# Allegro board RK_EVB1_RK3576_LP4XD200P132SD6_V12_20240530YWQ.brd (continued)
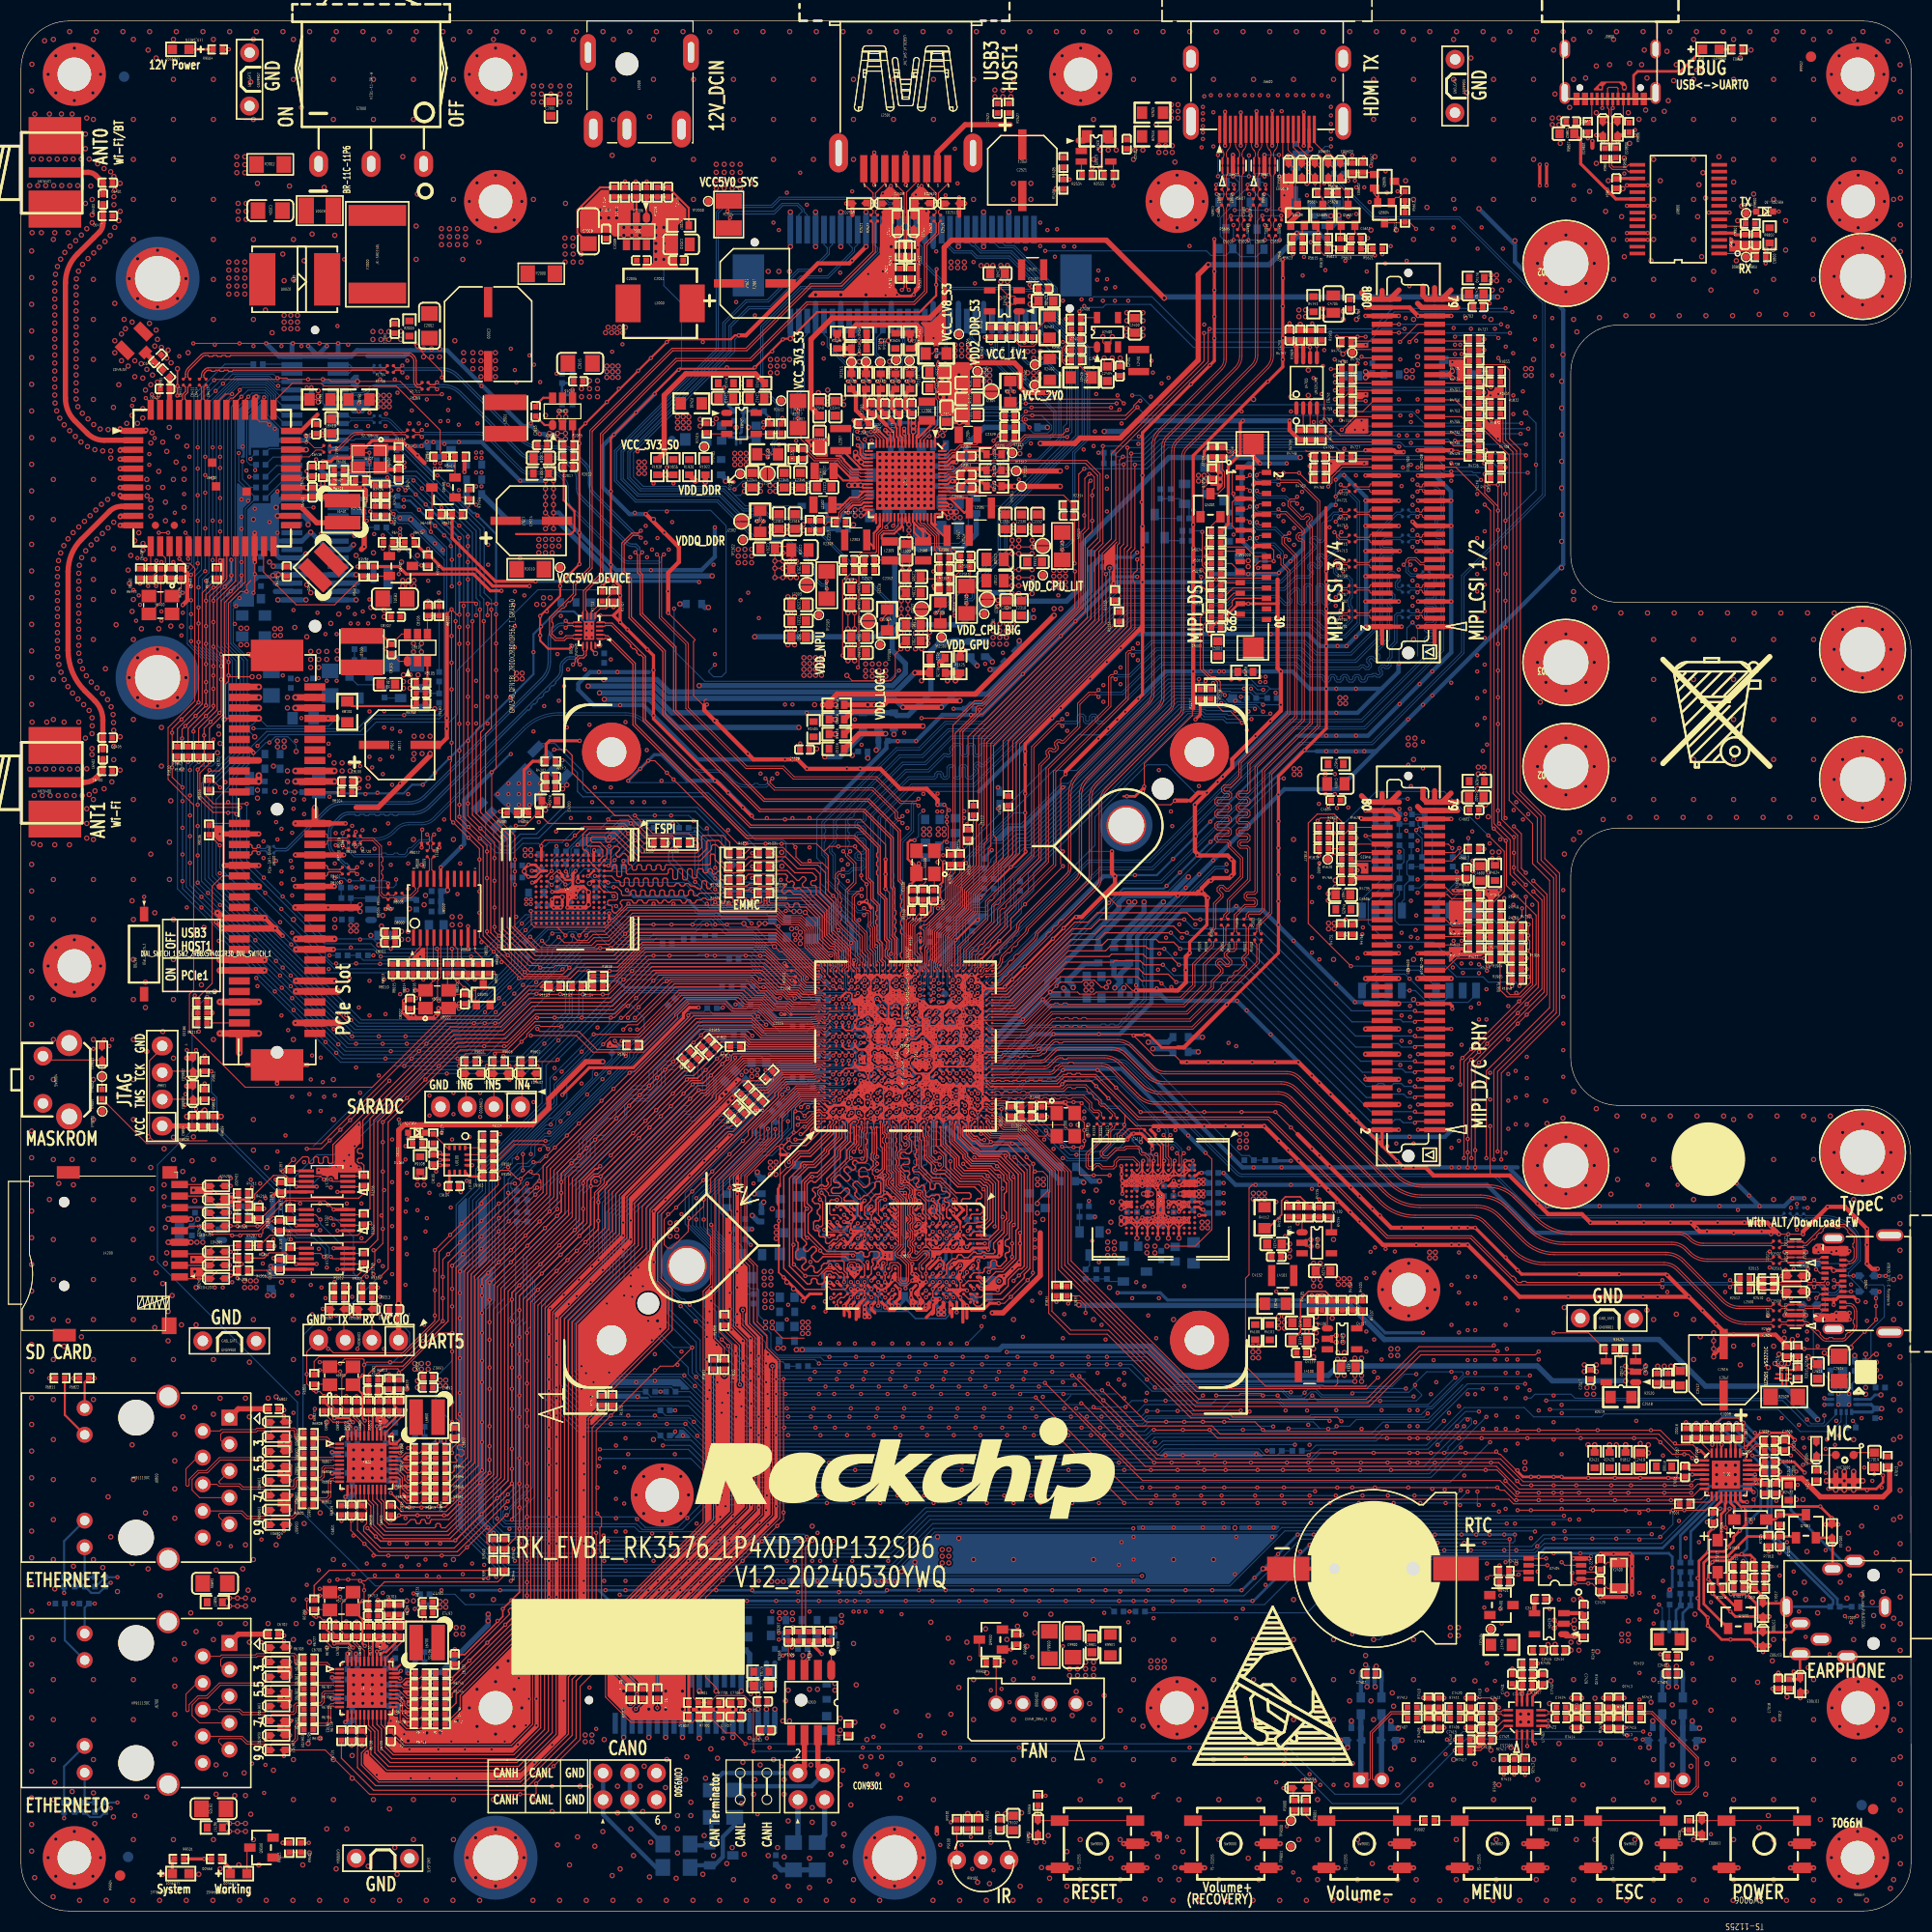
[diagram p0: board, top side]
## Routing (per net, layer and track width the routed paths; a pad name or vN(x,y) marks a point on that pad's centre or on a via; arc(x,y) is an arc through that point) (continued)
  TOP w0.229: 78.48,77.21 v1(78.51,77.23) U1000.1D5 ; 78.48,77.21 78.48,76.73 ; 78.48,77.21 U1000.1C4 ; U1000.2B3 80.67,79.77 80.67,79.79 ; U1000.2B3 v1(81.32,80.42) U1000.2B4 ; U1000.2B3 80.99,80.09 80.67,80.42 ; U1000.2U7 90.42,82.37 ; U1000.2U7 91.12,83.07 ; U1000.2U7 91.07,82.37 ; 90.42,82.37 91.07,82.37 ; 90.42,82.37 U1000.2T6 89.44,82.69 ; 90.42,82.37 U1000.2U6 ; 82.94,83.99 U1000.2E9 83.27,84.32 U1000.2E10 ; 82.94,83.99 82.94,84.64 ; 82.94,83.99 v1(82.62,84.32) ; 79.8,86.32 79.8,85.13 v1(79.77,85.1) ; 79.8,86.32 79.45,86.32 79.34,86.43 79.34,86.47 79.44,86.57 ; 79.8,86.32 U1000.1F20 ; U1000.1AB6 89.77,78.29 89.77,78.47 ; U1000.1AB6 89.94,77.87 v1(89.94,77.8) ; U1000.1AB6 89.34,77.87 U1000.1AB5 89.85,77.35 v1(89.95,77.35) ; U1000.1AB6 89.44,78.37 ; v1(86.39,76.71) 86.39,76.62 U1000.1U3 86.9,76.62 v1(86.9,76.71) 86.9,76.71 U1000.1U4 ; v1(86.39,76.71) U1000.1T3 ; v1(86.39,76.71) U1000.1U4 ; 91.59,86.14 91.46,86.27 91.14,86.27 ; 91.59,86.14 91.59,86.42 ; 91.59,86.14 U1000.2V12 ; 91.59,86.14 91.59,85.75 ; 91.59,88.22 U1000.AK25 U1000.AL25 93.55,87.87 v1(93.7,88.02) v1(94.4,88.72) v1(95.61,89.92) v1(98.28,92.59) ; 91.59,88.22 U1000.1AE23 v1(91.14,88.67) ; 91.59,88.22 91.59,87.56 ; v1(83.39,75.42) 83.39,75.42 U1000.1M1 83.94,75.47 ; v1(83.39,75.42) 83.39,75.51 U1000.1M2 ; v1(83.39,75.42) U1000.1L2 82.74,75.47 ; U1000.2D10 81.97,84.97 ; U1000.2D10 82.62,84.97 ; U1000.2D10 82.62,84.32 ; 91.59,83.54 91.59,83 ; 91.59,83.54 U1000.2V8 91.15,83.1 v1(91.12,83.1) ; 91.59,83.54 91.59,83.8 ; 91.59,83 91.59,82.5 ; 91.59,83 91.22,83 v1(91.12,83.1) ; v1(82.7,76.62) U1000.1L4 v1(83.34,76.67) ; v1(82.7,76.62) 82.79,76.62 U1000.1L3 v1(83.34,76.67) ; v1(82.7,76.62) U1000.1K3 ; v1(79.67,88.67) 79.74,88.67 U1000.1F24 ; v1(79.67,88.67) 79.66,88.66 79.66,88.58 U1000.1E23 ; v1(79.67,88.67) 79.67,88.74 U1000.1E24 79.64,89.16 79.85,89.16 U1000.1F24 ; U1000.1Y6 88.11,77.84 ; U1000.1Y6 88.79,78.52 U1000.2P1 ; U1000.1Y6 v1(88.74,77.87) U1000.1Y5 ; U1000.1Y6 88.44,78.62 88.43,78.63 ; U1000.1Y6 88.14,78.47 ; 88.11,77.84 v1(88.11,77.84) ; 88.11,77.84 88.17,77.84 U1000.1Y5 ; v1(81.5,76.71) 81.5,76.62 U1000.1H3 80.99,76.62 v1(80.99,76.71) ; v1(81.5,76.71) 81.59,76.71 U1000.1J4 ; v1(81.5,76.71) 81.5,76.71 U1000.1H4 ; U1000.1F3 79.84,76.57 79.74,76.57 v1(79.74,76.57) 79.74,76.57 79.64,76.57 ; U1000.1F3 80.34,76.07 U1000.1G3 ; U1000.1F3 80.34,76.67 U1000.1G3 ; U1000.2U3 90.42,80.42 U1000.2U4 ; U1000.2U3 U1000.2U4 ; U1000.2U3 90.99,79.84 v1(91.09,79.84) ; U1000.1AB24 89.48,89.13 89.2,89.13 89.15,89.08 89.15,89.07 U1000.1AA24 ; U1000.1AB24 89.85,89.18 90.03,89.18 U1000.1AC24 ; U1000.1AB24 89.94,88.67 ; U1000.1N21 84.54,86.87 ; U1000.1N21 84.54,87.47 ; U1000.1N21 83.94,86.87 ; U1000.1N21 v1(83.94,87.47) ; 84.54,86.87 U1000.1N20 ; 84.54,86.87 U1000.1P21 ; 84.54,86.87 U1000.1P20 85.14,86.87 ; 78.48,76.73 U1000.1D3 ; 78.48,76.73 U1000.1C4 ; 78.48,76.73 77.4,76.73 ; 91.07,82.37 91.07,82.37 ; 91.07,82.37 91.07,82.37 ; 87.17,83.67 v1(87.14,83.69) 87.19,83.69 87.49,83.99 ; 87.17,83.67 U1000.2L9 ; 87.17,83.67 U1000.2L8 ; 85.87,85.62 U1000.2K12 ; 85.87,85.62 U1000.2J11 U1000.2K10 ; 85.87,85.62 U1000.2J12 85.54,86.58 v1(85.61,86.64) ; U1000.2K12 86.4,86.15 86.46,86.15 ; U1000.2K12 85.87,86.27 ; v1(87.82,81.04) 87.79,81.04 U1000.2M4 ; U1000.1H4 v1(80.94,77.27) ; U1000.1H4 80.99,76.71 v1(80.99,76.71) ; v1(83.34,76.67) U1000.1M4 ; 83.94,86.87 U1000.1N20 ; 83.94,86.87 U1000.1M20 ; 83.94,86.87 U1000.1M21 ; U1000.1N20 83.94,86.27 U1000.1M20 ; 37,22.63 R6735.1 ; v1(82.14,86.87) U1000.1K21 ; v1(82.14,86.87) U1000.1K20 ; v1(82.14,86.87) U1000.1J21 81.84,87.19 81.76,87.27 ; U1000.2V2 91.39,79.54 v1(91.09,79.84) ; U1000.2V2 91.59,79.64 ; U1000.2V2 U1000.2U2 ; U1000.2V2 91.59,79.25 ; v1(83.27,81.07) 83.27,81.07 ; v1(83.27,81.07) U1000.2E5 83.59,82.04 U1000.2F6 ; v1(83.27,81.07) 83.27,81.07 ; 83.27,81.07 U1000.2F5 ; 83.27,81.07 U1000.2F4 v1(83.92,81.07) ; 87.8,78.65 87.84,78.6 U1000.1W6 ; 87.8,78.65 88,78.65 U1000.2N1 ; 87.8,78.65 87.64,78.65 U1000.2M1 ; U1000.2U10 91.39,83.99 ; U1000.2U10 90.42,84.32 U1000.2U9 90.74,83.99 U1000.2V10 ; U1000.2U10 v1(91.07,84.97) ; 91.39,83.99 91.59,83.8 ; 91.39,83.99 91.59,84.19 ; 91.39,83.99 U1000.2V9 ; U1000.1AC1 90.49,75.42 v1(90.5,75.42) ; U1000.1E5 79.78,77.9 ; U1000.1E5 v1(79.14,77.27) U1000.1D5 ; U1000.1E5 79.19,77.82 v1(79.19,77.91) ; 79.78,77.9 v1(79.78,77.92) ; 79.78,77.9 79.78,77.83 U1000.1F5 ; 85.07,89.8 85.07,89.79 U1000.V28 85.34,89.47 v1(85.11,89.24) ; v1(85.1,101.98) 84.68,101.98 84.46,101.75 84.46,100.19 v1(84.88,99.77) ; U1000.2V10 91.59,84.84 ; U1000.2V10 91.59,84.45 ; U1000.2V10 v1(91.07,84.97) ; 91.59,84.84 91.59,84.45 ; 91.59,84.84 91.59,85.1 ; 87.17,80.42 U1000.2M4 ; 87.17,80.42 U1000.2L3 86.48,79.73 ; 87.17,80.42 U1000.2L4 86.88,80.74 v1(87.17,81.03) ; U1000.2M4 87.82,80.42 ; U1000.2M4 87.2,81.03 ; 82.44,78.2 U1000.1K6 82.14,77.87 ; 82.44,78.2 82.42,78.2 82.14,78.47 82.09,78.47 ; 82.44,78.2 82.44,78.29 v1(82.64,78.49) 82.72,78.49 U1000.1L6 ; 81.97,84.97 U1000.2C10 ; 81.97,84.97 U1000.2C11 ; U1000.2U4 91.07,81.07 ; U1000.2U4 U1000.2V3 ; 83.34,86.87 U1000.1L20 ; 83.34,86.87 U1000.1L21 ; 83.34,86.87 U1000.1M21 ; 83.34,86.87 U1000.1M20 ; U1000.1L20 82.87,86.39 82.62,86.39 U1000.1K20 ; U1000.1L20 82.74,86.87 ; U1000.1M21 83.34,87.47 ; U1000.1M21 v1(83.94,87.47) ; 83.34,87.47 U1000.1L21 ; 83.34,87.47 v1(83.34,87.47) ; U1000.1V2 U1000.1W3 ; U1000.1V2 U1000.1W1 v1(88.1,75.43) U1000.1Y2 88.74,75.47 U1000.1AA2 ; U1000.1V2 v1(86.94,75.47) U1000.1U2 v1(86.34,75.47) ; v1(78.24,84.6) U1000.1C16 ; U1000.1H20 80.94,86.27 80.67,86.27 ; U1000.1H20 81.24,86.34 81.32,86.27 ; U1000.1H20 81.14,86.67 ; v1(88.11,77.84) 88.11,77.89 U1000.1W6 ; v1(88.11,77.84) 88.11,77.84 U1000.1W5 U1000.1V6 ; 89.21,86.18 89.03,86.18 U1000.2P12 88.49,86.24 88.44,86.24 ; 89.21,86.18 89.25,86.18 89.34,86.27 ; 89.21,86.18 U1000.2R12 ; U1000.2P9 U1000.2N9 ; U1000.2P9 88.79,84 89.11,84.32 ; U1000.2P9 88.47,83.67 v1(88.46,83.67) ; U1000.2P9 88.47,84.32 U1000.2N9 ; U1000.2P9 88.87,84.07 89.37,84.07 U1000.2R9 ; U1000.2N9 88.14,83.99 87.83,84.3 87.8,84.3 ; U1000.2N9 88.46,83.67 v1(88.46,83.67) ; 82.77,88.64 82.74,88.67 ; 82.74,88.67 U1000.1L24 ; 82.74,88.67 U1000.1K24 ; 91.59,86.71 91.59,86.42 ; 91.59,86.71 U1000.1AE20 ; 91.59,86.71 91.59,87.02 ; 91.59,86.42 U1000.1AE20 ; 86.64,78.17 86.64,78.59 U1000.2L1 ; 86.64,78.17 v1(86.34,78.46) ; 86.64,78.17 U1000.1U6 v1(86.94,77.87) U1000.1V6 ; U1000.2N12 88.44,86.24 ; U1000.2N12 87.93,86.15 ; U1000.2N12 87.82,85.62 ; U1000.2K9 85.87,83.67 86.02,83.51 ; U1000.2K9 86.52,83.67 ; U1000.2K9 86.52,84.32 ; U1000.2K9 85.87,84.32 U1000.2K10 ; U1000.1L22 83.33,87.47 v1(83.34,87.47) ; U1000.1L22 82.74,87.47 ; U1000.1L22 82.74,88.07 ; U1000.2B6 v1(81.32,82.37) 80.99,82.69 ; U1000.2B6 80.67,81.72 ; U1000.2B6 U1000.2B7 80.99,82.69 ; U1000.1V6 86.84,78.57 U1000.2L1 ; 91.07,82.37 91.59,82.37 ; 91.07,82.37 U1000.2U6 ; 91.07,82.37 U1000.2V6 ; 91.07,82.37 U1000.2V7 ; 91.59,82.37 91.59,82.5 ; 91.59,82.37 91.59,81.85 ; U1000.2K1 86.19,78.61 v1(86.34,78.46) ; U1000.2K1 U1000.2J1 85.54,78.67 85.77,78.44 ; U1000.2K1 U1000.2K2 ; U1000.2K1 85.84,78.44 85.77,78.44 ; U1000.2K1 86.25,78.79 86.55,79.09 ; v1(81.54,87.47) 81.34,87.27 ; v1(81.54,87.47) 81.57,87.47 81.76,87.27 ; v1(81.54,87.47) U1000.1J22 ; 81.34,87.27 U1000.1H21 ; 81.34,87.27 81.76,87.27 ; 87.93,86.15 88.03,86.15 U1000.1Y20 ; 87.93,86.15 87.28,86.15 ; 89.94,86.87 U1000.1AB20 ; 89.94,86.87 U1000.1AC20 ; 89.94,86.87 U1000.1AC21 ; 89.94,86.87 U1000.1AB21 89.94,87.47 ; U1000.1AB20 89.94,86.27 ; U1000.1AB20 89.34,86.27 ; U1000.2R11 v1(89.12,84.97) U1000.2R10 ; U1000.2R11 v1(89.77,84.97) ; U1000.2R11 v1(89.77,85.62) ; 80.34,78.47 U1000.1G6 ; 80.34,78.47 U1000.1F6 ; 80.34,78.47 U1000.2A1 ; U1000.1G6 80.89,77.92 ; U1000.1G6 80.39,77.92 ; U1000.1G6 80.64,78.17 ; U1000.1G6 80.99,78.52 U1000.2B1 ; v1(79.78,77.92) 79.8,77.92 U1000.1F6 ; v1(79.78,77.92) 79.98,78.13 79.98,78.71 ; v1(79.78,77.92) 79.69,77.92 U1000.1E6 ; 86.02,83.51 U1000.2K8 86.52,83.67 ; 86.02,83.51 85.71,83.51 85.61,83.41 ; 80.67,80.42 U1000.2B4 ; 80.67,80.42 U1000.2A3 ; 80.67,80.42 80.67,79.79 ; U1000.2R12 89.77,86.27 ; U1000.2R12 v1(89.77,85.62) ; 89.77,86.27 89.34,86.27 ; 89.77,86.27 89.94,86.27 ; U1000.1M4 83.94,77.27 U1000.1N4 ; U1000.1M4 83.94,76.67 83.99,76.72 ; U1000.2B4 80.67,81.07 U1000.2B5 80.94,81.44 80.67,81.72 ; U1000.1K20 82.74,86.87 ; 82.74,86.87 U1000.1K21 ; 82.74,86.87 U1000.1L21 ; 82.11,78.49 82.02,78.49 81.83,78.68 81.75,78.68 U1000.2C1 ; 89.21,78.56 U1000.2R1 ; 89.21,78.56 89.03,78.56 U1000.2P1 ; 89.21,78.56 89.25,78.56 89.44,78.37 ; v1(87.16,81.72) 87.17,81.72 U1000.2M6 ; v1(87.16,81.72) 87.17,81.72 87.17,82.37 ; v1(87.16,81.72) 86.52,81.72 ; v1(87.16,81.72) 87.16,81.72 U1000.2L6 ; v1(87.16,81.72) 87.16,81.71 86.84,81.39 ; U1000.2M6 U1000.2L6 ; U1000.2M6 87.82,82.37 U1000.2N6 88.47,82.37 U1000.2P6 ; U1000.2M6 87.17,82.37 ; 91.07,78.47 U1000.2V1 91.58,78.98 ; 91.07,78.47 91.23,78.3 91.31,78.3 U1000.1AE6 91.58,78.03 ; 91.07,78.47 90.98,78.56 ; 91.59,80.94 U1000.2V4 ; 91.59,80.94 91.59,80.55 ; 91.59,80.94 91.59,81.59 ; U1000.2V4 91.07,81.07 ; U1000.2V4 91.59,80.55 ; 86.52,84.32 U1000.2L9 ; 86.52,84.32 U1000.2K10 ; U1000.2L8 87.17,83.02 v1(87.14,82.99) 86.84,82.69 87.17,82.37 ; U1000.2L8 86.52,83.67 ; v1(84.59,76.65) 84.59,76.62 U1000.1P3 85.1,76.62 v1(85.1,76.69) 85.07,76.71 84.68,76.71 84.61,76.65 v1(84.59,76.65) ; v1(84.59,76.65) 84.59,76.71 U1000.1P4 ; v1(84.59,76.65) 84.56,76.65 84.49,76.72 ; U1000.1L21 82.74,87.47 ; v1(91.09,79.84) 91.14,79.84 U1000.2V3 ; v1(91.09,79.84) 90.74,79.49 U1000.2U2 ; v1(84.53,84.36) 84.5,84.39 ; 84.5,84.39 83.99,84.39 ; 84.5,84.39 U1000.2G10 ; U1000.2C1 81.49,78.64 81.15,78.64 ; U1000.2C1 81.64,78.57 81.52,78.45 ; 80.04,78.19 80.04,78.49 U1000.2A1 ; 80.04,78.19 79.75,78.48 ; 80.04,78.19 U1000.1F6 ; 81.14,87.07 80.94,86.87 ; 81.14,87.07 81.14,86.67 ; 81.14,87.07 U1000.1H21 ; 80.94,86.87 80.72,86.65 ; 80.94,86.87 81.14,86.67 ; 80.94,86.87 U1000.1G21 ; 91.59,84.45 91.59,84.19 ; 85.87,86.27 86.04,86.44 U1000.1T20 ; 85.87,86.27 85.87,86.27 ; U1000.2K10 v1(86.53,84.98) ; U1000.1H24 81.44,89.16 81.65,89.16 U1000.1J24 ; U1000.1H24 80.94,88.67 U1000.1G24 ; U1000.1H24 81.05,89.16 80.84,89.16 U1000.1G24 ; U1000.1K21 82.74,87.47 ; 80.34,83.99 v1(80.67,84.32) 80.99,83.99 ; 80.34,83.99 80.99,83.99 ; 80.34,83.99 80.63,83.71 ; U1000.1G3 80.91,76.64 v1(80.99,76.71) ; 86.63,86.15 86.46,86.15 ; 86.63,86.15 U1000.2L12 87.05,86.15 ; 86.63,86.15 86.63,86.15 87.05,86.15 ; 86.46,86.15 U1000.1T20 ; U1000.1K3 U1000.1J2 82.14,75.47 ; U1000.1K3 U1000.1J4 ; U1000.1AE20 91.14,86.27 ; 86.52,83.67 U1000.2L9 ; U1000.2A3 v1(80.64,79.79) 80.67,79.79 ; U1000.2A3 79.92,80.09 79.61,80.4 ; U1000.2A3 80.03,80.4 79.61,80.4 ; v1(79.74,75.47) U1000.1E2 79.1,75.43 79.09,75.43 79.09,75.42 U1000.1D1 U1000.1C2 ; 89.77,78.47 U1000.2R1 ; 89.77,78.47 89.86,78.56 ; U1000.1H6 80.99,77.92 v1(80.94,77.92) 80.89,77.92 ; U1000.1H6 81.24,78.54 81.15,78.64 ; U1000.1H6 80.67,78.74 80.67,79.09 v1(80.64,79.12) ; U1000.1H6 80.97,78.17 U1000.2A1 ; U1000.2J5 85.86,81.71 v1(85.86,81.72) 85.87,81.72 U1000.2K5 86.51,81.71 v1(86.51,81.72) 86.52,81.72 ; 80.72,86.65 80.99,86.38 U1000.2B12 ; 80.72,86.65 U1000.1G20 ; U1000.2P1 88.63,78.63 88.43,78.63 ; 82.62,84.97 82.67,84.92 83.2,84.92 v1(83.22,84.93) 83.22,84.92 U1000.2E10 ; 82.62,84.97 82.62,84.32 ; 82.62,84.97 U1000.2E10 ; 89.11,84.32 89.44,83.99 ; 89.11,84.32 89.12,84.32 ; 89.11,84.32 89.12,84.32 U1000.2R10 ; 89.44,83.99 89.77,84.32 U1000.2R10 ; 89.44,83.99 U1000.2R9 ; U1000.1T20 85.97,86.64 v1(85.61,86.64) ; 89.44,78.37 U1000.2R1 ; 87.19,84.29 87.79,84.29 ; 87.19,84.29 87.14,84.29 ; 87.19,84.29 87.49,83.99 ; 87.79,84.29 87.49,83.99 ; 87.79,84.29 87.8,84.3 ; v1(79.77,85.1) 80.15,85.1 U1000.2A11 ; v1(79.77,85.1) 79.44,84.77 v1(79.44,84.6) U1000.1E16 79.62,83.99 U1000.2A9 ; v1(84.56,86.23) 84.28,85.94 U1000.2G12 ; 80.89,77.92 80.39,77.92 ; U1000.1D3 79.1,76.63 ; U1000.1D3 v1(78.53,76.05) U1000.1C2 ; U1000.1K24 82.25,89.16 82.04,89.16 U1000.1J24 ; U1000.1K24 82.16,88.69 v1(82.07,88.69) ; U1000.1K24 82.64,89.16 82.85,89.16 U1000.1L24 ; U7402.10 143.45,20.62 v1(143.64,20.81) ; v1(77.94,86.87) U1000.1C21 78.54,87.47 ; U1000.2N1 88.3,78.63 88.43,78.63 ; U1000.2N1 88.14,78.47 ; 80.11,86.63 80.29,86.82 v1(80.34,86.82) ; 80.11,86.63 80.34,86.39 U1000.2A12 ; 80.11,86.63 U1000.1F20 ; v1(83.34,87.47) 83.35,87.47 U1000.1M22 v1(83.94,87.47) ; U1000.1A3 76.91,76.24 76.91,76.19 76.77,76.04 U1000.1A2 ; U1000.1A3 U1000.B5 ; U1000.1A3 77.4,76.73 ; U1000.1L6 v1(83.34,77.87) ; U1000.1L6 83.04,78.28 83.27,78.5 83.28,78.5 v1(83.31,78.48) 83.33,78.48 U1000.1M6 ; v1(85.61,86.64) 85.61,86.53 85.87,86.27 ; v1(85.61,86.64) 85.38,86.87 85.14,86.87 ; U3800.W11 79.37,58.77 v1(79.04,58.44) ; U3800.W11 79.69,59.09 v1(79.69,59.24) 79.64,59.19 79.09,59.19 v1(79.04,59.24) 79.04,59.09 U3800.W11 ; U1000.1J4 82.14,77.27 ; 87.17,79.12 87.14,79.09 v1(87.14,78.55) 87.25,78.55 U1000.2M1 ; 87.17,79.12 U1000.2M1 ; 87.17,79.12 U1000.2L1 ; 87.14,84.29 U1000.2M10 ; 87.14,84.29 U1000.2L9 ; U1000.2M10 87.82,84.32 87.8,84.3 ; U1000.2M10 87.82,84.97 87.49,85.29 ; v1(82.07,88.69) 82.07,88.59 U1000.1J23 ; v1(82.07,88.69) 82.07,88.74 U1000.1J24 ; U1000.1T6 85.74,77.87 U1000.1T5 85.74,77.27 ; U1000.1T6 85.77,78.44 ; U1000.1T6 86.29,78.42 86.29,78.42 v1(86.34,78.46) ; 79.14,86.81 79.69,86.81 ; 79.69,86.81 79.44,86.57 ; 79.69,86.81 79.74,86.87 ; U1000.2A12 80.67,85.62 ; U1000.2A12 80.67,86.27 ; U1000.2A12 80.02,85.62 U1000.2A11 ; U1000.2A12 80.04,86.24 ; 80.67,85.62 U1000.2A11 ; 80.67,85.62 U1000.2B12 ; 80.67,85.62 U1000.2B11 ; 91.59,85.75 U1000.2V12 ; 91.59,85.75 91.59,85.49 ; U1000.2V12 91.39,86.02 91.14,86.27 ; U1000.2R10 v1(89.77,84.97) ; 80.67,86.27 U1000.2B12 ; 80.67,86.27 80.64,86.29 U1000.1G20 ; U1000.1AB23 U1000.1AB22 ; U1000.1AB23 v1(89.34,88.07) U1000.1AB22 ; U1000.1AB23 89.94,88.67 ; U1000.1AB23 89.94,88.07 U1000.1AB22 ; U1000.1AB22 89.94,87.47 ; v1(89.77,84.97) U1000.2T11 v1(89.77,85.62) ; U1000.1M6 83.94,77.87 U1000.1N6 84.24,78.17 84.57,78.5 84.57,78.51 v1(84.57,78.51) 84.57,78.44 U1000.1P6 84.87,78.17 v1(85.25,78.54) ; U1000.1M6 v1(83.34,77.87) ; U1000.AK6 92.22,77.14 ; U1000.AK6 91.63,77.11 91.58,77.11 ; U1000.AK6 91.79,77.57 v1(91.61,77.57) ; v1(91.14,88.67) U1000.1AD24 ; v1(91.14,88.67) U1000.1AD23 ; 91.59,82.5 U1000.2V7 ; v1(36.87,44.09) R6835.1 ; 82.62,84.32 v1(82.62,84.32) ; v1(83.92,81.07) U1000.2F5 ; v1(83.92,81.07) U1000.2G4 ; U1000.1Y20 v1(88.79,86.91) U1000.1AA21 ; U1000.1Y20 88.44,86.24 ; U1000.2F5 83.37,81.62 83.32,81.62 v1(83.27,81.67) 83.27,81.72 U1000.2E6 ; 80.71,83.63 80.71,83.71 ; 80.71,83.63 U1000.2B8 v1(80.67,83.02) 80.99,82.69 ; 80.71,83.63 80.63,83.71 ; 80.71,83.71 80.63,83.71 ; 80.71,83.71 U1000.2B9 80.99,83.99 ; 85.23,79.75 U1000.2H3 v1(84.57,80.42) U1000.2G4 ; 87.82,85.62 87.49,85.94 ; 87.82,85.62 87.49,85.29 ; 83.92,84.97 83.99,84.9 83.99,84.39 ; v1(88.18,76.71) 88.14,76.67 ; 87.49,85.29 U1000.2M11 ; U1000.G29 79.29,90.47 v1(79.35,90.53) ; v1(91.07,81.72) U1000.2V6 ; v1(91.07,81.72) U1000.2U5 91.07,81.07 ; v1(91.07,81.72) U1000.2U6 ; 87.49,85.94 U1000.2M12 ; 87.49,85.94 87.28,86.15 ; U1000.2A1 80.64,79.09 v1(80.64,79.12) ; 80.39,77.92 80.34,77.87 ; v1(82.62,84.32) 82.94,84.64 ; v1(82.62,84.32) U1000.2D9 v1(82.62,83.67) v1(82.62,84.32) ; 82.94,84.64 U1000.2E10 ; v1(89.77,83.67) U1000.2R8 v1(89.77,83.02) ; v1(89.77,83.67) U1000.2R9 ; v1(89.77,83.67) U1000.2T8 v1(89.77,83.02) ; 85.14,86.87 U1000.1P21 ; U1000.2K2 86.48,79.73 ; U1000.2K2 86.48,79.16 ; 80.94,87.47 U1000.1H21 ; 80.94,87.47 U1000.1G21 ; 80.94,87.47 U1000.1G22 80.94,88.07 ; U1000.1L24 83.18,89.11 83.5,89.11 U1000.1M24 83.85,89.17 v1(83.94,89.17) 83.94,89.22 U1000.T28 U1000.T29 ; 80.99,83.99 v1(81.32,84.32) U1000.2C10 ; 91.59,87.31 U1000.1AE21 91.59,87.02 ; 91.59,87.31 91.59,87.02 ; 91.59,87.31 91.59,87.56 ; U1000.1W6 88.14,78.47 ; 91.58,78.03 91.58,78.98 ; 91.58,78.03 91.58,77.59 v1(91.61,77.57) ; 91.58,78.98 91.59,78.99 91.59,79.25 ; Y1100.4 85.28,98.31 v1(84.71,97.73) 84.46,97.48 84.46,94.85 84.55,94.76 v1(84.55,94.69) ; v1(92.88,81.82) U1000.AL14 U1000.AK14 91.84,81.72 v1(91.59,81.72) ; v1(89.77,83.02) 89.44,82.69 ; 91.59,83.8 91.59,84.19 ; v1(144.19,15.95) 143.95,16.18 U7402.4 ; U1000.2B12 81.32,86.27 ; U1000.2B12 U1000.2C11 ; U1000.1R2 v1(85.14,75.47) U1000.1R1 85.74,75.47 U1000.1R2 ; U1000.1R2 U1000.1T3 ; 91.59,79.64 91.59,80.29 ; 91.59,79.64 91.59,79.25 ; 81.32,86.27 U1000.2C12 U1000.2B11 ; 77.4,76.73 77.43,76.75 78.03,76.75 U1000.1C4 ; v1(81.97,80.42) U1000.2D3 v1(82.62,80.42) ; U1000.1AC24 89.94,88.67 ; U1000.1AC24 90.45,89.17 v1(90.55,89.17) 90.63,89.17 U1000.1AD24 ; v1(90.54,87.47) U1000.1AC21 ; U1000.1AC21 89.94,87.47 ; 91.07,81.07 U1000.2V5 91.59,81.59 ; 91.59,81.59 v1(91.59,81.72) ; 83.99,76.72 84.49,76.72 ; 83.99,76.72 U1000.1N4 ; 91.58,77.11 U1000.1AE4 91.58,76.83 ; 91.58,77.11 91.58,77.54 v1(91.61,77.57) ; 91.58,77.11 91.58,76.83 ; 79.44,86.57 U1000.1F20 ; U1000.1Y5 v1(88.74,77.27) ; 83.94,75.47 U1000.1M2 ; 83.94,75.47 U1000.1N2 83.94,76.07 U1000.1M2 ; 90.27,76.39 U1000.1AC3 v1(90.54,76.67) ; 86.55,79.09 U1000.2L1 ; 86.55,79.09 86.48,79.16 ; U1000.2L1 86.67,78.79 v1(86.34,78.46) ; 91.12,83.07 v1(91.12,83.1) ; 91.12,83.07 91.12,82.96 U1000.2V7 ; U1000.2V6 91.59,81.85 ; U1000.1G20 80.39,86.82 v1(80.34,86.82) ; U1000.1G20 80.32,86.24 80.04,86.24 ; U1000.2P6 89.44,82.69 ; U1000.2P6 v1(88.47,81.72) ; U1000.2N8 88.14,83.34 v1(88.46,83.67) ; 86.48,79.16 86.48,79.73 ; 86.52,81.72 86.84,81.39 ; 86.52,81.72 U1000.2L6 ; 86.84,81.39 U1000.2L5 87.17,81.07 ; U1000.2V3 91.59,80.29 ; 91.59,80.29 91.59,80.55 ; 79.1,76.63 79.13,76.63 ; 79.1,76.63 v1(79.1,76.63) ; v1(88.74,77.27) U1000.1Y4 ; v1(88.74,77.27) U1000.1AA4 ; v1(90.54,76.67) U1000.1AD3 v1(91.14,76.07) U1000.1AE3 91.58,76.51 91.58,76.83 ; v1(90.54,76.67) U1000.1AC4 ; 90.33,78.56 89.86,78.56 ; 90.33,78.56 U1000.2T1 89.86,78.56 ; 90.33,78.56 90.51,78.56 ; v1(83.34,77.87) U1000.1L5 ; 87.28,86.15 87.05,86.15 ; U1000.1P21 84.54,87.47 ; U1000.1P21 85.12,87.44 v1(85.12,87.47) 85.12,87.49 U1000.1P22 ; 84.54,87.47 U1000.1P22 ; 91.14,86.27 U1000.1AD20 ; U1000.1F20 80.04,86.24 ; U1000.1F20 79.74,86.87 ; v1(91.07,84.97) U1000.2V11 ; v1(91.07,84.97) U1000.2U11 ; U1000.2V11 91.59,85.1 ; U1000.2V11 91.59,85.49 ; U1000.2L6 87.17,82.37 ; U1000.1G21 80.34,86.87 ; v1(78.24,82.8) U1000.1C13 ; 79.64,76.57 U1000.1E3 79.18,76.63 79.13,76.63 ; 79.64,76.57 79.19,76.57 79.13,76.63 ; U7402.6 v1(145.44,18.13) ; U1000.2B11 81.32,84.97 ; 81.32,84.97 U1000.2C10 ; 81.32,84.97 U1000.2C11 ; U1000.2E6 82.62,81.72 v1(82.61,81.72) ; U1000.2E6 82.62,82.37 v1(82.61,82.37) ; U1000.1D5 v1(79.19,77.91) ; U1000.1F24 80.24,89.16 80.45,89.16 U1000.1G24 ; 91.59,85.1 91.59,85.49 ; v1(91.09,79.19) 90.99,79.19 U1000.2U2 ; v1(79.19,77.91) U1000.1E6 ; v1(91.59,81.72) 91.59,81.85 ; 84.49,76.72 U1000.1N4 ; U1000.1A2 v1(77.34,75.47) U1000.1B2 v1(77.94,75.47) U1000.1C2 ; U1000.1A2 76.77,75.49 ; U1000.2G4 v1(83.92,80.42) ; U1000.2G4 84.56,81.06 v1(84.56,81.07) 84.6,81.1 84.6,81.1 U1000.2H5 ; 83.99,84.39 83.92,84.32 ; U7402.5 v1(145.44,17.63) ; 79.61,80.4 U1000.1E10 v1(79.44,81) ; U1000.1AA2 89.34,75.47 ; U1000.1AA2 89.34,76.07 ; 90.51,78.56 90.98,78.56 ; 90.51,78.56 U1000.2U1 ; v1(92.77,90.35) U1000.AL29 ; U1000.1AC20 v1(90.54,86.87) U1000.1AD20 ; U1000.1AC20 89.94,86.27 ; U1000.1AC20 90.54,86.27 U1000.1AD20 ; 79.75,78.48 U1000.1E6 ; 79.75,78.48 79.98,78.71 ; v1(80.34,86.82) 80.34,86.87 ; 90.98,78.56 U1000.2U1 ; 81.15,78.64 U1000.2B1 ; 85.87,86.27 85.59,85.99 ; 79.74,86.87 U1000.1F21 80.34,86.87 ; U1000.2B1 80.67,79.12 v1(80.64,79.12) ; 52.55,98.24 52.5,98.19 51.88,98.19 51.55,98.52 U4000.J5 ; U1000.1F6 80.34,77.87 ; v1(91.45,90.57) 91.39,90.51 U1000.AJ29 ; U1000.1U4 v1(86.94,77.27) ; U1000.1P22 v1(85.14,88.07) ; U1000.1P22 84.54,88.07 ; 91.61,87.57 91.6,87.57 91.59,87.56 ; v1(82.62,83.02) U1000.2E8 ; U1000.1AD24 91.11,89.24 ; U1000.2U1 91.09,79.14 ; U1000.1T3 85.74,76.67 ; U1000.1F5 80.34,77.87 ; U1000.1F5 80.34,77.27 ; v1(79.44,82.8) U1000.1E13 79.77,82.04 U1000.2A6 80.67,81.72 ; 79.98,78.71 v1(79.98,79.09) ; U1000.1P24 84.54,88.67
  TOP w0.254: v1(32.81,134.31) 32.68,134.18 32.68,133.4 v1(32.58,133.29) 32.68,133.19 v1(32.68,131.27) ; U9100.7 v1(39.9,71.03) ; U7000.4 v1(159.17,41.56) ; v1(56,94.31) 56.01,94.32 v1(56.01,95.01) ; v1(72.72,90.26) 72.78,90.2 72.78,90.13 C1109.2 ; 51.98,97.07 52.76,97.07 v1(52.86,96.96) 52.86,97.56 52.87,97.57 ; 51.98,97.07 51.19,97.07 ; 51.98,97.07 52.19,97.27 ; 52.55,96.65 52.4,96.65 52.05,97 ; v2(54.05,97.02) 54.05,97.02 54.05,97.1 53.59,97.57 U4000.E7 ; U3800.J3 85.54,64.84 v1(85.54,64.72) ; v1(105.32,106.16) 106.1,106.16 106.79,106.85 106.97,106.85 v1(106.97,107.09) ; v1(104.89,68.31) v1(104.89,69.05) v1(104.89,69.55) 104.82,69.62 v1(104.82,70.18) 104.82,70.91 v1(104.79,70.94) ; 81.94,62.14 82.43,62.14 82.5,62.08 ; 81.94,62.14 82.1,62.3 v1(82.29,62.3) 82.29,62.35 82.08,62.56 82.08,62.8 ; 81.94,62.14 81.61,61.81 v1(81.61,61.46) U3800.T8 ; C7017.2 R7011.2 165.14,33.46 164.71,33.89 163.97,33.89 v1(163.87,33.99) 163.78,33.89 163.28,33.89 162.73,33.35 162.47,33.35 ; v1(84.89,60.69) 84.84,60.75 84.84,61.59 v1(84.89,61.64) ; R9807.1 v1(149.22,168.83) ; C1108.2 73.55,88.64 v1(73.42,88.64) ; v1(120.69,164.54) 120.74,164.58 ED5605.2 ; v1(79.04,64.69) 79.12,64.77 80.27,64.77 v1(80.34,64.84) ; J5600.5 v1(116.17,171.29) ; U4000.P6 49.01,98.07 48.89,97.95 v1(48.68,97.95) ; C9105.2 39.28,70.81 39.54,70.56 v1(39.54,70.43) ; 86.24,61.43 86.82,62.01 v1(86.82,62.13) ; 160.7,34.23 159.81,33.34 159.81,28.77 v1(160.63,27.95) 160.63,27.19 v1(160.65,27.17) 161.97,25.85 v1(162.82,25.85) 164.72,25.85 v1(165.29,25.28) ; 160.7,34.23 v1(160.71,34.24) 162.22,34.24 162.47,34.49 v1(162.47,34.62) 163.11,35.25 163.11,35.63 v1(163.68,36.2) 164.25,36.77 164.25,38.17 164,38.43 ; 160.7,34.23 160.7,36.02 161.13,36.45 v1(161.15,36.45) C7009.2 ; v1(50.59,97.07) U4000.K8 51.19,97.07 ; v1(49.55,101.42) 49.55,101 U4000.N2 ; v2(104.77,65.42) 105.15,65.42 U4100.P12 ; R8014.1 v1(38.31,88.72) ; 51.19,97.07 51.4,97.27 52.19,97.27 ; v1(172.46,37.42) v1(171.36,38.52) 164,38.52 164,38.43 ; 52.19,97.27 52.48,97.57 52.87,97.57 ; R8011.2 v1(39.84,101.28) ; ED5604.2 v1(123.24,164.55) ; ED9801.2 v1(150.66,168.53) ; v1(79.69,59.24) 79.78,59.16 80.26,59.16 v1(80.34,59.24) ; v1(172.13,40.2) 176.7,40.2 177.33,40.84 v1(177.33,41.48) ; C1115.2 72.43,85.39 v1(72.4,85.42) ; v1(159.81,43.83) 159.99,43.83 v1(160.48,43.34) ; 164,38.43 v1(164,38.3) 163.28,39.02 U7000.13 ; 52.87,97.57 53.47,97.57 ; v1(112.21,66.26) 112.79,66.26 112.82,66.24 ; C9104.2 41.7,68.65 v1(41.89,68.46) ; 87.17,81.07 v1(87.17,81.03) 87.17,81.03 87.81,81.03 v1(87.82,81.04) ; 119.67,124.53 119.65,124.51 117.44,124.51 117.42,124.53 v1(117.39,124.5) v1(116.88,124.5) CON5000.27 115.96,124.5 114.89,123.43 114.89,123 114.63,122.74 113.88,122.74 C5000.2 ; 162.47,33.35 161.2,33.35 v1(161.08,33.22) 160.7,32.84 v1(160.7,31.57) 161.08,31.18 R7006.2 v1(161.08,30.24) v1(162.8,28.52) 163.28,28.04 v1(165.29,28.04) 165.27,28.07 165.27,29.28 v1(164.38,30.17) v1(162.85,30.17) 162.6,30.42 162.6,31.19 162.47,31.31 162.47,33.35 ; R8013.1 v1(35.42,88.72) ; U4100.P11 v2(104.79,66.05) ; v1(168.94,44.86) v1(168.26,45.54) v1(166.49,45.54) 165.65,45.54 v1(164.25,44.14) ; 157.95,41.24 v1(156.89,41.24) v1(154.22,41.24) v1(151.81,41.24) v1(149.27,41.24) 146.83,41.24 v1(146.73,41.35) v1(145.96,41.35) v1(144.54,41.35) v1(143.8,41.35) 143.04,41.35 142.41,41.98 ; R8012.2 v1(38.16,101.28) ; R7005.2 v1(167.49,36.28) ; v1(126.41,164.79) 126.01,164.79 125.66,165.14 ED5602.2 ; v1(55.92,97.94) 55.8,98.07 U4000.A6 ; 110.17,82.24 108.63,82.24 107.43,83.43 v1(106.97,83.43) 106.06,83.43 105.98,83.36 ; ED9800.2 v1(152.06,168.52) ; U7000.18 v1(165.14,41.56) ; v1(34.97,97.86) R8004.1 ; U3800.C5 89.51,63.31 ; C7008.2 v1(161.52,46.49) ; v1(48.65,99.07) U4000.P4 ; ED5603.2 124.51,164.66 v1(124.63,164.54) ; C7011.2 v1(167.55,42.78) 168.85,42.78 v1(169.88,41.75) ; J5600.11 v1(119.17,171.44) ; C7007.2 v1(159.55,46.49) ; U3800.N11 v1(82.94,58.44) ; C7016.2 v1(167.49,34.11) ; v1(167.55,41.82) C7010.2 ; U9100.6 v1(39.9,71.53) ; R8016.1 v1(39.28,88.72)
  TOP w0.279: 82.59,62.73 82.5,62.64 82.5,62.08 82.9,62.08 82.92,62.1 82.92,62.73 82.59,62.73 ; 82.59,62.73 82.15,62.73 v1(81.64,63.24) U3800.T5 ; v1(82.29,68.41) 82.45,68.41 82.95,67.91 v1(83.1,67.91) ; v1(85.54,58.44) 85.87,58.12 U3800.J12 ; U3800.G8 v1(87.49,61.49) ; 86.82,62.77 87.67,62.77 ; 86.82,62.77 v1(86.82,62.13) 87.01,62.32 87.01,62.59 ; 86.82,62.77 87.01,62.59 ; 87.67,62.77 87.48,62.59 87.01,62.59 ; 87.67,62.77 87.71,62.81 ; v1(93.17,62.43) 93.04,62.3 91.76,62.3 v1(91.73,62.28) ; U3800.G5 87.17,63.72 v1(86.84,64.04) 86.76,63.96 86.2,63.96 86.19,63.95 ; 89.51,63.98 v1(89.44,64.04) v1(88.79,64.04) 88.47,63.72 U3800.E5 v1(88.14,63.24) ; 89.51,63.98 89.77,63.72 U3800.C5 ; 89.51,63.98 89.51,63.31 v1(89.44,63.24) ; 52.45,96.55 52.47,96.52 v1(52.86,96.52) v1(52.86,96.96) ; 52.45,96.55 52.55,96.65 ; 52.45,96.55 52.05,96.15 ; 76.24,58.77 75.12,58.77 74.67,58.31 v1(72.63,60.35) 72.57,60.41 ; v1(87.49,65.49) U3800.G3 ; U3800.D2 88.79,66.29 v1(88.79,66.44) U3800.E1 ; U3800.D2 89.44,65.64 89.44,65.48 ; U3800.D2 89.12,66.12 U3800.C1 88.79,67.74 v1(88.79,67.76) ; U3800.N2 82.94,66.29 v1(82.94,66.44) U3800.P1 ; 83.16,60.26 82.99,60.09 v1(82.98,60.09) ; 83.16,60.26 U3800.N9 ; 83.16,60.26 83.16,60.58 ; v1(82.96,57.63) 82.62,57.97 U3800.P12 82.62,58.12 v1(82.94,58.44) ; 89.88,62.81 89.22,62.81 ; 89.88,62.81 90.34,62.81 90.67,63.14 91.96,63.14 v1(92.12,62.99) ; 89.88,62.81 v1(89.44,63.24) ; 89.22,62.81 89.11,62.91 ; 89.22,62.81 89.01,62.81 ; v1(79.69,60.84) U3800.V8 v1(79.69,61.49) ; v1(79.69,60.84) 79.6,60.84 79.53,60.78 79.2,60.78 79.13,60.85 79.03,60.85 ; v1(79.69,60.84) 79.69,60.69 U3800.W9 79.03,60.7 79.03,60.85 ; U3800.T3 v1(80.99,65.49) ; 78.56,57.82 78.4,57.65 78.4,57.64 v1(78.39,57.63) ; v1(89.45,58.43) 89.47,58.42 89.47,58.27 U3800.C12 v1(90.09,57.64) 90.51,57.22 91.61,57.22 92.26,57.87 v1(93.12,57.87) ; v1(77.04,59.85) 77.14,59.85 U3800.AB10 ; U4000.J5 51.55,98.68 v1(51.23,99) ; v1(80.34,67.65) 80.02,67.33 U3800.V1 ; U3800.J10 85.22,58.92 U3800.K11 ; U3800.J10 85.87,59.57 v1(86.19,59.89) 86.19,59.9 v1(85.59,59.9) ; U3800.J10 85.59,59.85 v1(85.59,59.9) ; v1(89.44,63.24) 89.11,62.91 ; 52.05,96.15 U4000.H10 v1(52.05,95.58) ; 52.05,96.15 52.05,97 51.98,97.07 ; 89.83,61.23 89.83,61.29 89.86,61.32 89.86,61.67 89.83,61.7 89.83,61.91 ; 89.83,61.23 90.51,61.91 89.83,61.91 ; 89.83,61.23 U3800.C8 v1(89.44,60.84) 89.44,60.77 ; U3800.W4 v1(79.04,64.69) 79.04,64.94 ; U3800.W4 79.69,64.69 79.69,64.7 79.76,64.77 ; U3800.W4 79.12,64.12 79.12,63.97 U3800.Y5 v1(78.39,63.24) ; 88.57,62.81 88.14,63.24 v1(88.14,63.24) ; 88.57,62.81 89.01,62.81 ; 88.57,62.81 87.71,62.81 ; v1(85.59,59.9) 85.5,59.98 84.95,59.98 v1(84.89,60.04) U3800.K9 ; v1(85.59,59.9) 85.59,60 U3800.K9 ; v1(88.14,63.24) 87.71,62.81 ; 79.03,60.85 U3800.Y8 ; 83.01,60.12 83.03,60.14 83.03,60.45 83.16,60.58 ; 83.01,60.12 83.27,60.12 U3800.N9 ; 83.01,60.12 v1(82.98,60.09) ; 86.19,65.49 U3800.J3 86.19,64.85 86.19,64.62 86.09,64.72 86.07,64.72 86.03,64.76 85.7,64.76 85.66,64.72 v1(85.54,64.72) 85.54,64.69 U3800.K4 ; v1(52.81,99.05) 52.55,98.79 U4000.G5 52.55,97.28 ; v1(86.84,59.24) U3800.G10 v1(87.49,59.89) ; U3800.N4 82.94,64.69 v1(82.94,64.84) U3800.P3 v1(82.29,65.49) ; U3800.P10 82.62,59.57 ; 82.62,59.57 82.86,59.86 82.98,59.98 v1(82.98,60.09) ; 82.62,59.57 82.29,59.24 v1(82.29,59.09) 82.23,59.16 81.71,59.16 v1(81.64,59.09) 81.64,59.24 U3800.T10 ; 82.62,59.57 v1(82.29,59.89) ; 89.83,61.91 89.27,61.91 88.89,61.54 v1(88.66,61.54) 88.66,61.36 U3800.E8 ; 89.44,60.77 89.38,60.7 89.38,60.11 v1(89.49,60) 89.49,60 U3800.D9 89.44,60.69 89.44,60.77 ; U3800.K9 v1(84.89,60.69) ; U3800.V5 v1(79.69,63.24) v1(80.34,63.24) U3800.V5 ; U3800.V5 80.34,63.89 v1(80.34,64.04) ; v1(52.86,96.96) 52.55,96.65 ; v1(52.86,96.96) 53.47,97.57 U4000.E7 ; 52.55,96.65 52.55,97.28 ; 89.01,62.81 89.11,62.91 ; v1(80.34,58.44) 80.34,58.29 U3800.V12 80.01,57.97 79.57,57.53 v1(79.57,57.38) ; U3800.AB8 77.09,61.49 v1(77.07,61.49) ; v1(91.61,65.22) 91.55,65.17 U3800.A3 ; 83.16,60.58 83.16,60.63 83.27,60.74 U3800.N9 ; 52.55,97.28 52.76,97.07 ; 89.51,59.16 88.73,59.16 ; 89.51,59.16 90.03,59.16 v1(90.09,59.09) ; 89.51,59.16 89.44,59.09 ; 88.73,59.16 88.23,59.16 v1(88.14,59.24) ; 88.73,59.16 U3800.D11 ; v1(88.56,57.48) 88.47,57.57 U3800.E12 ; 89.38,64.11 89.38,64.63 ; v1(77.73,67.09) 77.86,67.23 78.26,67.23 U3800.Y1 v1(79.04,66.44) 79.37,66.12 U3800.W2 v1(79.04,65.64) 78.97,65.58 78.46,65.58 v1(78.39,65.64) ; v1(93.01,59.14) 92.96,59.19 91.54,59.19 v1(91.44,59.29) 91.34,59.29 U3800.A10 ; U3800.Y12 v1(79.04,58.44) ; U3800.G12 v1(86.84,58.29) v1(87.49,58.29) U3800.G12
  TOP w0.305: v1(128.05,74.4) CON4600.2 129.63,72.82 ; v1(25.07,26.23) 24.94,26.36 C6702.2 ; v1(25.05,41.81) ED6803.2 v1(25.62,42.39) ; CON4600.13 v1(133.05,79.2) ; v1(171.19,62.75) J2500.A12 v1(172.42,62.75) ; 57.06,124.02 v1(57.06,125.29) 57.06,126.15 56.53,126.69 55.87,126.69 ; 57.06,124.02 v1(57.06,122.74) ; 57.06,124.02 56.42,123.38 v1(57.06,122.74) ; v1(90.09,57.64) 90.08,57.64 90.08,56.46 ; ED6701.2 v1(25.62,19.53) ; 31.18,70.5 31.86,70.5 v1(32.17,70.81) ; 78.4,56.71 78.4,57.55 ; 78.4,57.55 78.56,57.38 ; 78.4,57.55 78.4,57.62 v1(78.39,57.63) ; 131.69,70.81 131.08,71.42 v1(131.06,71.42) 131.06,71.45 v1(127.21,75.29) ; 81.32,56.97 80.99,57.3 v1(80.99,57.64) U3800.T12 ; v1(24.04,62.17) 24.2,62.02 C1312.2 25.02,62.02 ; 124.27,133.65 124.27,127.62 v1(124.31,127.58) v1(124.31,126.56) v1(124.31,124.02) v1(124.31,120.47) v1(124.31,116.4) 124.31,112.63 v1(122.25,110.56) 119.76,108.07 v1(119.76,106.32) v1(119.76,103.78) v1(119.76,101.24) v1(119.76,98.7) v1(119.76,96.16) v1(119.76,93.92) 119.76,91.24 v1(114.83,86.32) ; v1(133.05,84) CON4600.25 v1(136.21,84) ; v1(152.2,60.65) 156.68,60.65 v1(156.79,60.55) ; R2408.2 v1(99.52,151.64) ; v1(89.44,64.69) U3800.D4 ; J5600.11 v1(119.17,168.13) ; v1(25.05,25.69) ED6704.2 v1(25.62,25.12) ; v1(89.45,58.43) U3800.D11 89.44,59.09 89.44,59.24 ; v1(25.05,14.76) ED6707.2 v1(25.62,15.34) ; v1(122.17,168.13) J5600.17 v1(122.17,171.31) ; v1(36.81,139.52) 36.3,140.03 33.44,140.03 32.81,139.39 32.3,139.39 Y6401.2 31.29,138.37 29.81,138.37 29.5,138.07 v1(28.74,138.07) ; v1(106.4,115.45) 106.81,115.85 106.81,121.87 ; v1(85.54,57.64) U3800.J12 ; v1(172.89,56.33) 173.2,56.65 J2500.B12 173.84,56.65 v1(174.16,56.33) ; v1(25.62,20.92) ED6700.2 v1(25.05,20.35) ; J5600.5 v1(116.17,168.13) ; v1(69.6,104.3) 69.55,104.3 v1(68.75,105.1) v1(67.35,106.5) 66.46,107.39 66.46,107.39 66.31,107.54 66.24,107.54 60.24,113.54 v1(60.24,118.18) 60.24,119.57 v1(59.66,120.14) v1(57.75,122.05) v1(57.06,122.74) ; v1(77.51,27) 77.36,27 C9308.2 ; 112.94,95.7 112.94,93.92 111.3,92.28 v1(111.3,91.25) ; v1(120.17,157.3) v1(120.17,152.84) v1(120.17,147.76) 120.17,147.07 v1(118.75,145.65) 118.68,145.65 111.64,138.61 v1(111.64,133.42) v1(111.64,132.02) 111.64,129.81 v1(111.66,129.79) ; 108.28,67 U4100.H10 ; 108.28,67 108.28,67.97 v1(108.31,68) ; 108.28,67 108.78,67.5 ; v1(154.92,162.4) U9800.21 v1(152.94,162.4) ; v1(154.92,164.35) U9800.18 v1(152.94,164.35) ; 96.14,111.68 95.63,111.17 v1(95.63,110.43) v1(95.63,109.16) v1(95.63,106.43) ; U3800.C12 89.7,57.91 89.7,56.08 ; v1(117.67,168.13) J5600.8 v1(117.67,171.4) ; 108.78,67.52 108.78,67.5 ; 108.78,67.52 108.78,68.16 v1(108.28,68.66) 108.28,68.02 v1(108.31,68) ; 108.78,67.52 v1(108.31,68) ; 108.78,67.5 U4100.G10 ; v1(25.62,39.59) ED6806.2 v1(25.05,39.02) ; 88.66,57.2 88.47,57 88.47,57.38 v1(88.56,57.48) ; 88.66,57.2 88.69,57.22 88.69,57.75 88.47,57.97 U3800.E12 ; 88.66,57.2 88.66,56.59 ; R4116.2 120.75,67.3 v1(120.52,67.53) ; v1(107.73,72.59) 107.73,72.97 106.67,74.04 v1(105.96,74.04) 105.81,74.04 105.39,73.61 v1(105.39,73.48) ; v1(171.11,56.75) J2500.A1 ; v1(137.78,65.07) v1(138.49,65.07) 142.91,60.65 v1(148.39,60.65) ; U3800.V12 79.8,57.75 79.8,56.59 ; 30.67,100.58 v1(30.77,100.58) ; v1(30.03,70.91) 30.45,70.49 U1301.5 ; v1(79.57,57.38) 79.54,57.35 79.54,56.33 ; v1(26.2,68.99) U1301.9 v1(28.15,68.99) ; v1(160.74,161.75) U9800.7 v1(162.72,161.75) ; v1(106.81,131.87) v1(106.81,136.72) 106.81,140.8 v1(111.42,145.41) v1(113.22,147.2) 113.65,147.64 v1(113.65,149.78) v1(113.65,151.85) v1(113.65,154.38) v1(113.65,156.15) v1(113.65,159.22) ; ED2504.2 v1(167.67,58.98) ; U3800.G12 86.91,57.71 86.91,57.22 ; CON4600.19 v1(133.05,81.6) ; 86.91,57.22 86.91,56.97 86.78,56.84 ; 86.91,57.22 86.21,56.52 ; v1(41.7,86.43) 41.25,85.99 Y8000.2 v1(39.76,85.99) ; ED6703.2 v1(25.62,16.73) ; v1(25.05,23.14) ED6705.2 v1(25.62,23.72) ; v1(28.15,61.62) U1300.9 v1(26.2,61.62) ; v1(114.67,168.13) J5600.2 v1(114.67,171.35) ; v1(152.94,159.8) U9800.25 v1(154.92,159.8) ; U3800.D4 v1(89.44,64.04) ; U3800.D4 v1(88.79,64.04) ; ED6706.2 v1(25.62,22.32) ; 78.56,57.38 78.91,57.04 78.91,56.59 ; 78.56,57.38 78.56,57.82 U3800.Y12 ; v1(145.29,164.34) v1(145.29,166.32) ; v1(141.38,138.25) 141.12,138.51 C4708.2 ; R9811.2 v1(17.49,81.48) ; v1(174.12,62.85) J2500.B1 v1(172.89,62.85) ; 108.02,73.89 108.02,73.95 C4110.2 ; v1(152.94,159.15) U9800.26 v1(154.92,159.15) ; v1(24.13,65.7) C1314.2 25.02,65.7 ; R2407.2 v1(91.79,149.9) ; C1119.2 v1(85.66,92.67) ; v1(29.78,63.12) U1300.5 ; ED6802.2 v1(25.62,43.78) ; v1(25.05,36.23) ED6805.2 v1(25.62,36.8) ; v1(82.34,100.15) 82.34,98.75 v1(82.33,98.75) v1(82.33,97.35) ; v1(80.99,66.44) U3800.T1 ; v1(45.63,73.99) 45.38,73.99 45.23,73.84 R9105.2 ; U3800.AB3 77,65.59 v1(77,65.62) ; U3800.K11 v1(85.54,58.44) ; v1(72.51,142.18) 72.51,141.76 R2414.2 ; v1(25.62,46.58) ED6800.2 v1(25.05,47.15) ; ED6807.2 v1(25.62,38.2) ; 72.3,72.08 72.37,72.02 v1(73.13,72.02) ; v1(136.31,85.92) 136.31,86.18 136.08,86.4 CON4600.31 v1(133.05,86.4) ; Q5604.2 129.21,163.34 v1(129.12,163.44) 128.91,163.64 Q5606.2 ; U8000.16 v1(39.97,99.39) ; J2501.4 v1(81.26,164.39) ; v1(127.89,167) 127.8,166.91 R5617.2 ; v1(29.78,66.8) U1302.5 ; v1(78.33,63.98) 78.33,63.96 U3800.Y5 ; C9800.2 v1(164.71,158.74) C9801.2 ; v2(161.2,52.78) 161.2,53.04 161.26,53.1 161.39,53.1 161.64,53.36 161.64,53.48 C2516.2 ; C1313.2 24.58,69.39 24.3,69.67 v1(24.25,69.67) ; C2409.2 95.32,149.64 v1(95.58,149.38) ; CON4600.7 v1(133.05,76.8) ; C6802.2 25.07,47.82 ; ED2506.2 v1(167.66,60.48) ; v1(42.58,91.64) U8000.9 v1(42.58,93.79) ; C2408.2 v1(99.52,148.69) ; v1(26.2,65.3) U1302.9 v1(28.15,65.3) ; v1(144.64,164.34) v1(144.64,166.32) ; v1(25.05,44.61) ED6801.2 v1(25.62,45.18) ; ED6804.2 v1(25.62,40.99) ; R6811.1 v1(2.68,50.74) ; R4754.2 v1(141.38,137.5) ; CON4600.1 v1(133.05,74.4) ; v1(25.62,18.13) ED6702.2 v1(25.05,17.56) ; R6822.1 v1(4.96,50.74) ; v1(37.56,87.69) Y8000.4 ; U3800.AB5 v1(77.09,63.24) ; J2501.7 v1(84.26,164.39)